# KiCad board jorian.kicad_pcb
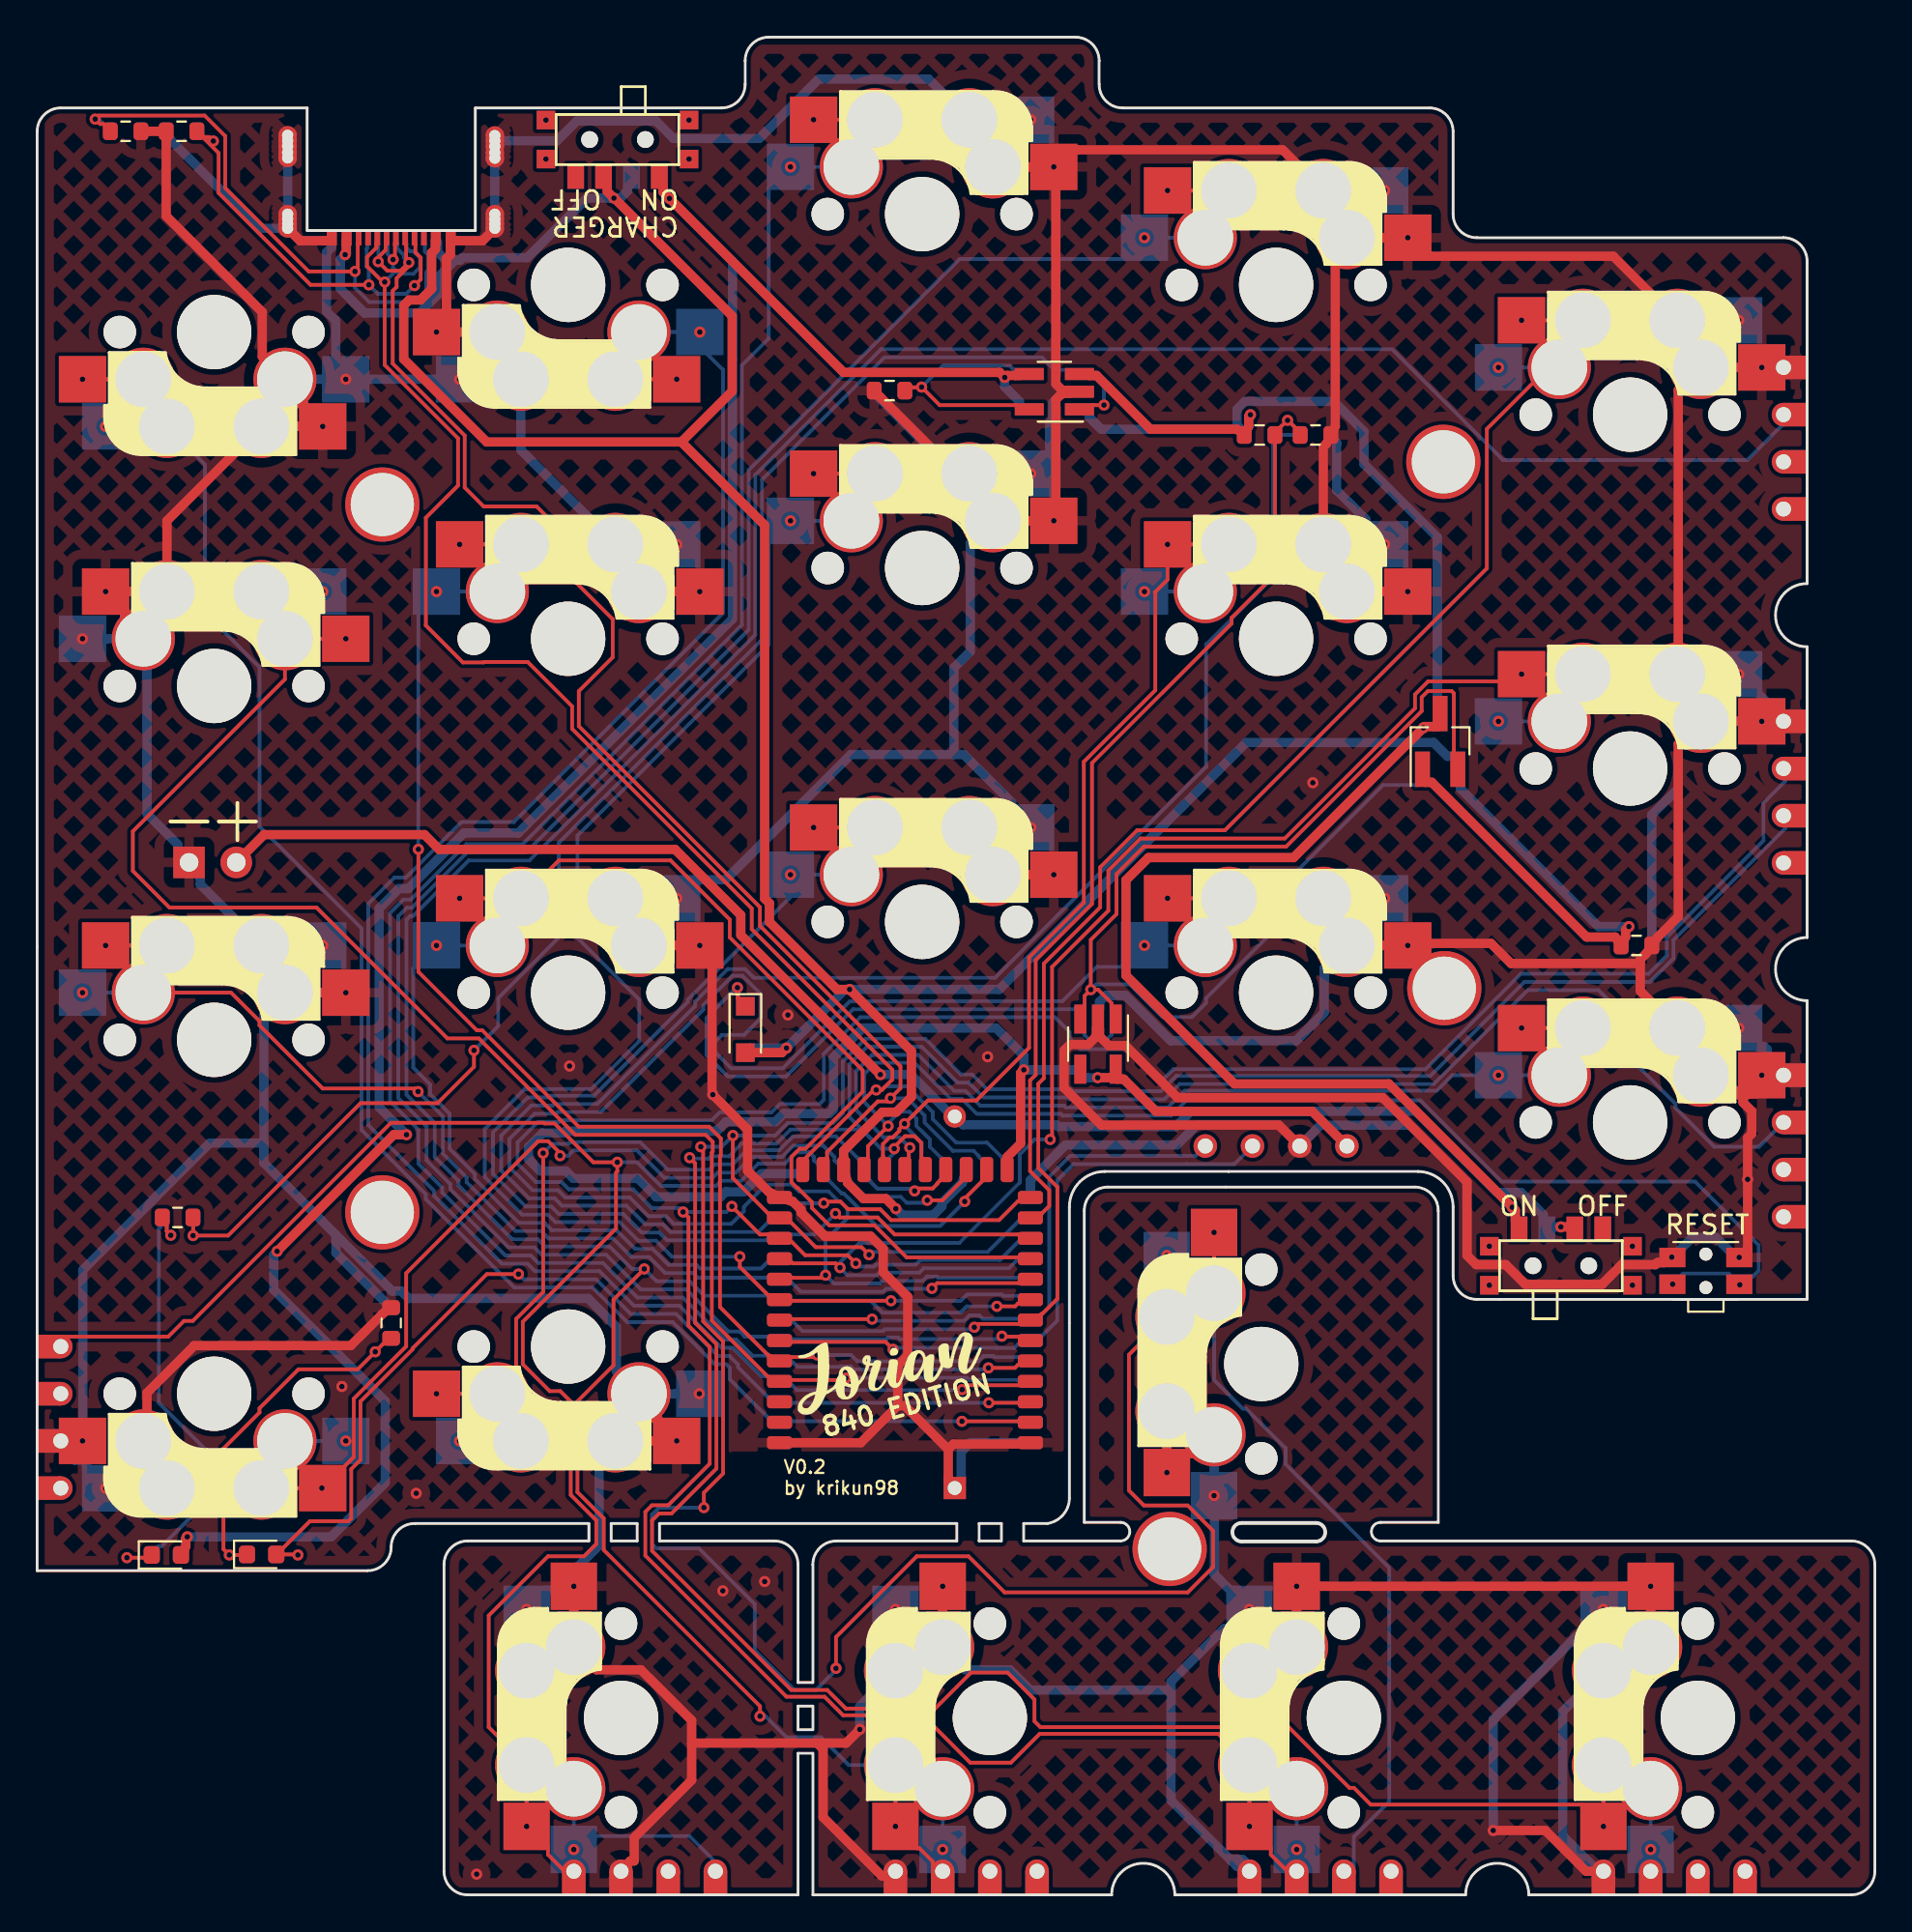
[diagram p0: board, top side]
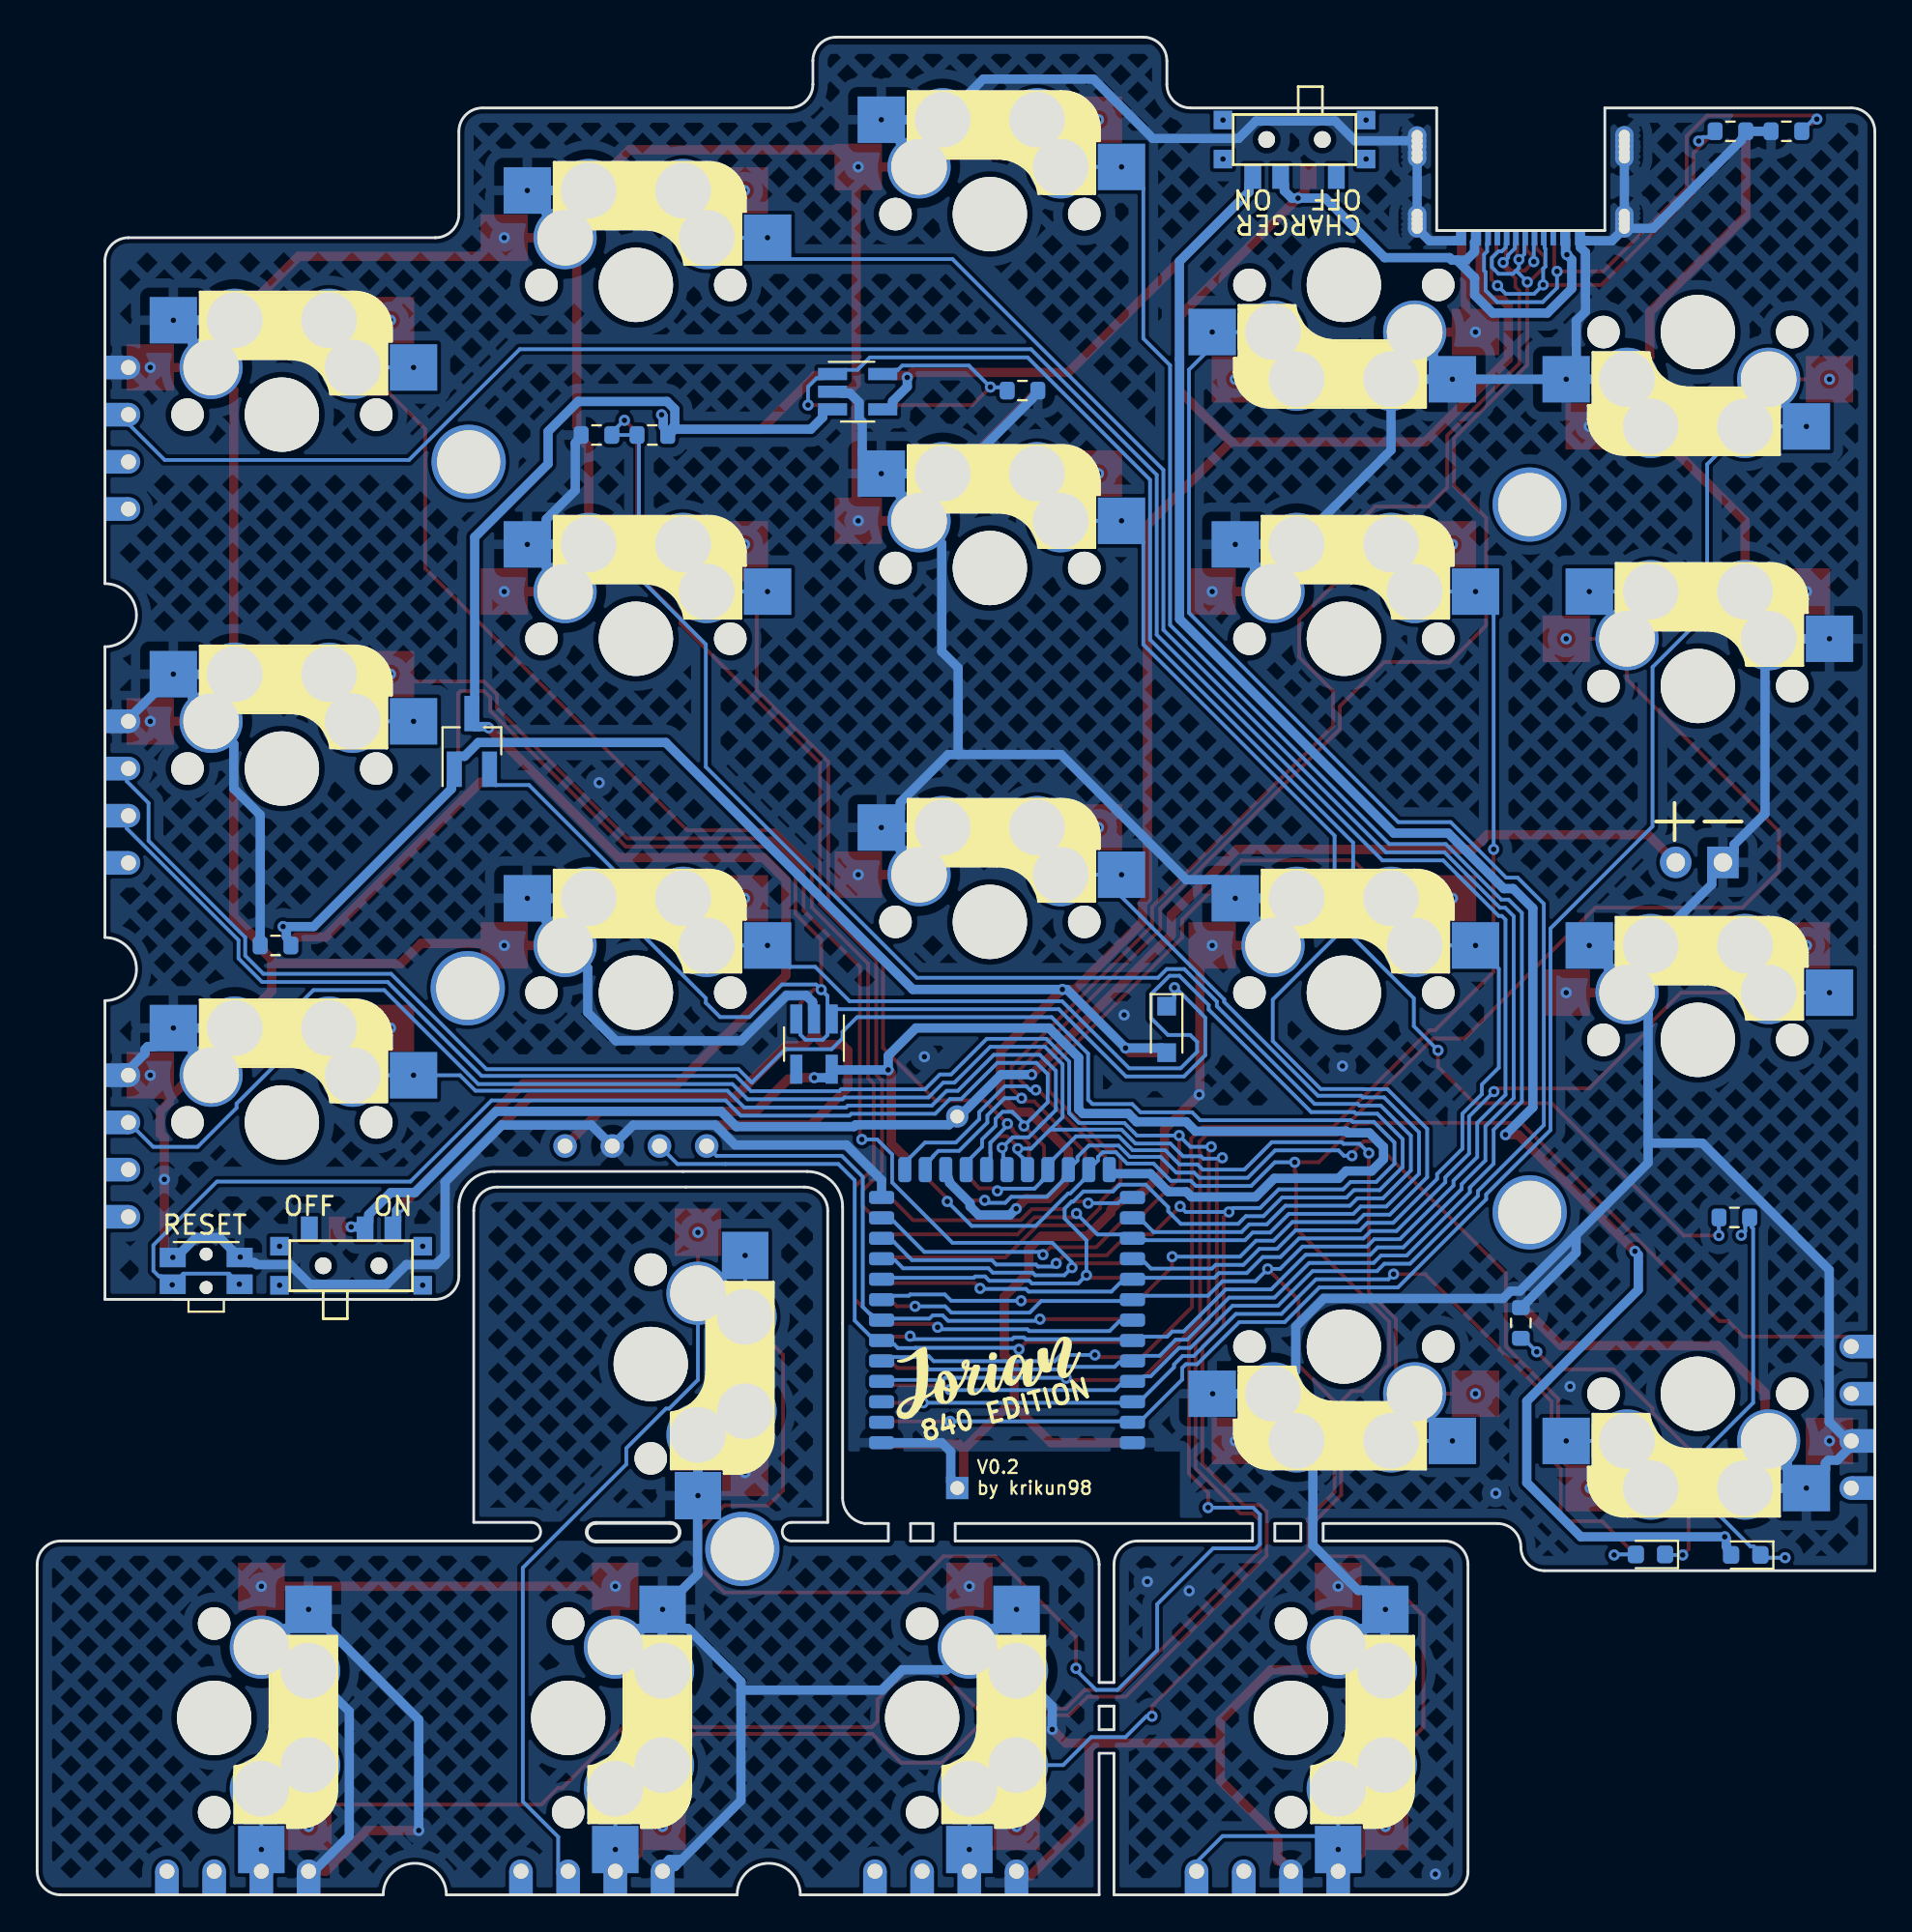
[diagram p1: board, bottom side, seen from below]

Outline 98.89 x 100 mm; copper layers: Top, Bottom. Coordinates in mm from the lower left corner of the outline.
Outline path: 0,94.92 arc(0.37,95.82) 1.27,96.19 14.53,96.19 14.53,89.59 23.58,89.59 23.58,96.19 36.83,96.19 arc(37.73,96.56) 38.1,97.46 38.1,98.73 arc(38.47,99.63) 39.37,100 55.88,100 arc(56.78,99.63) 57.15,98.73 57.15,97.46 arc(57.52,96.56) 58.42,96.19 74.93,96.19 arc(75.83,95.82) 76.2,94.92 76.2,90.48 arc(76.57,89.58) 77.47,89.21 93.98,89.21 arc(94.88,88.83) 95.25,87.94 95.25,70.59 arc(93.55,68.89) 95.25,67.19 95.25,51.54 arc(93.55,49.84) 95.25,48.14 95.25,32.06 77.47,32.06 arc(76.57,32.43) 76.2,33.33 76.2,37.04 arc(75.64,38.38) 74.29,38.94 57.46,38.94 arc(56.11,38.38) 55.55,37.04 55.55,21.37 arc(55.21,20.46) 54.36,19.99 53.09,19.99 53.09,19.05 58.3,19.05 arc(58.8,19.55) 58.3,20.05 56.35,20.05 56.35,36.83 arc(56.72,37.73) 57.62,38.1 74.13,38.1 arc(75.03,37.73) 75.4,36.83 75.4,20.05 72.3,20.05 arc(71.8,19.55) 72.3,19.05 97.62,19.05 arc(98.52,18.68) 98.89,17.78 98.89,1.27 arc(98.52,0.37) 97.62,0 80.28,0 arc(78.57,1.7) 76.88,0 61.23,0 arc(59.52,1.7) 57.82,0 41.74,0 41.74,7.62 40.95,7.62 40.95,0 23.16,0 arc(22.27,0.37) 21.9,1.27 21.9,17.78 arc(22.27,18.68) 23.16,19.05 29.69,19.05 29.69,19.99 20.32,19.99 arc(19.42,19.62) 19.05,18.72 arc(18.68,17.82) 17.78,17.45 0,17.45 0,94.92 ; 30.89,19.99 30.89,19.05 32.29,19.05 32.29,19.99 30.89,19.99 ; 33.49,19.99 33.49,19.05 39.68,19.05 arc(40.57,18.68) 40.95,17.78 40.95,11.43 41.74,11.43 41.74,17.78 arc(42.12,18.68) 43.02,19.05 49.49,19.05 49.49,19.99 33.49,19.99 ; 40.95,10.16 40.95,8.89 41.74,8.89 41.74,10.16 40.95,10.16 ; 50.69,19.99 50.69,19.05 51.89,19.05 51.89,19.99 50.69,19.99 ; 64.82,20.02 68.82,20.02 arc(69.32,19.52) 68.82,19.02 64.82,19.02 arc(64.32,19.52) 64.82,20.02
Stack: Top 0.035mm / dielectric 1.51mm FR4 er 4.5 / Bottom 0.035mm

## Placement (name value [footprint] x y rotation side)
BT1  Battery Holder  [cr2032_bs-7]  49.37 29.26 0 top
D1  RED  [LED_0603_1608Metric_REV]  6.95 18.3 0 top
D2  1N5819  [D_SOD-323_HandSoldering_REV]  38.11 46.59 270 top
D3  BLUE  [LED_0603_1608Metric_REV]  12.08 18.33 0 top
E5  left  [edge_conn]  95.25 78.41 0 top
E10  left  [edge_conn]  95.25 59.36 0 top
E15  left  [edge_conn]  95.25 40.31 0 top
E16  right  [edge_conn]  0 25.71 180 bottom
E18  left  [edge_conn]  32.69 0 270 top
E19  right  [edge_conn]  50 0 270 bottom
E20  right  [edge_conn]  69.05 0 270 bottom
E21  right  [edge_conn]  88.1 0 270 bottom
G1  Logo_Open_Hardware_Small  [jorian_logo_840]  46.78 27.59 0 top
G2  Logo_Open_Hardware_Small  [jorian_logo_840]  46.78 27.36 180 bottom
HM1  CaseHole  [M2-MountingHole-Standoff]  18.58 74.84 0 top
HM2  CaseHole  [M2-MountingHole-Standoff]  75.68 77.14 0 top
HM3  CaseHole  [M2-MountingHole-Standoff]  18.58 36.74 0 top
HM4  CaseHole  [M2-MountingHole-Standoff]  75.72 48.81 0 top
HM5  CaseHole  [M2-MountingHole-Standoff]  60.95 18.62 90 top
J1  USB-C Conn  [USB-C_C168688_REV]  19.05 96.19 0 top
J2  Ex_Bat  [Battery_TH]  8.18 55.58 90 top
JP16  SWD_conn  [connector_swd]  66.68 40.31 180 top
Q1  AO3407  [SOT-23_Handsoldering_REV]  75.5 62.09 90 top
R1  5.1K  [R_0603_1608Metric_REV]  4.76 94.94 0 top
R2  5.1K  [R_0603_1608Metric_REV]  7.77 94.94 180 top
R3  1K  [R_0603_1608Metric_REV]  7.56 36.47 0 top
R4  RPROG  [R_0603_1608Metric_REV]  45.87 80.98 180 top
R5  820K  [R_0603_1608Metric_REV]  65.79 78.59 0 top
R6  2M  [R_0603_1608Metric_REV]  68.79 78.59 0 top
R7  100K  [R_0603_1608Metric_REV]  86.07 51.11 0 top
R8  1K  [R_0603_1608Metric_REV]  19.05 30.79 90 top
RSW1  SW_PUSH  [SW_SPST_EVQP7C_REV]  89.8 33.59 0 top
SW1  SW_PUSH  [MX-HS-SOL-1U-REV]  9.52 84.13 180 top
SW2  SW_PUSH  [MX-HS-SOL-1U-REV]  28.57 86.67 180 top
SW3  SW_PUSH  [MX-HS-SOL-1U-REV]  47.63 90.48 0 top
SW4  SW_PUSH  [MX-HS-SOL-1U-REV]  66.68 86.67 0 top
SW5  SW_PUSH  [MX-HS-SOL-1U-REV]  85.72 79.68 0 top
SW6  SW_PUSH  [MX-HS-SOL-1U-REV]  9.52 65.08 0 top
SW7  SW_PUSH  [MX-HS-SOL-1U-REV]  28.57 67.62 0 top
SW8  SW_PUSH  [MX-HS-SOL-1U-REV]  47.63 71.43 0 top
SW9  SW_PUSH  [MX-HS-SOL-1U-REV]  66.68 67.62 0 top
SW10  SW_PUSH  [MX-HS-SOL-1U-REV]  85.72 60.63 0 top
SW11  SW_PUSH  [MX-HS-SOL-1U-REV]  9.52 46.03 0 top
SW12  SW_PUSH  [MX-HS-SOL-1U-REV]  28.57 48.57 0 top
SW13  SW_PUSH  [MX-HS-SOL-1U-REV]  47.63 52.38 0 top
SW14  SW_PUSH  [MX-HS-SOL-1U-REV]  66.68 48.57 0 top
SW15  SW_PUSH  [MX-HS-SOL-1U-REV]  85.72 41.58 0 top
SW16  SW_PUSH  [MX-HS-SOL-1U-REV]  9.52 26.98 180 top
SW17  SW_PUSH  [MX-HS-SOL-1U-REV]  28.57 29.52 180 top
SW18  SW_PUSH  [MX-HS-SOL-1U-REV]  31.42 9.53 90 top
SW19  SW_PUSH  [MX-HS-SOL-1U-REV]  51.27 9.53 90 top
SW20  SW_PUSH  [MX-HS-SOL-1U-REV]  70.32 9.53 90 top
SW21  SW_PUSH  [MX-HS-SOL-1U-REV]  89.37 9.53 90 top
SW22  SW_PUSH  [MX-HS-SOL-1U-REV]  65.88 28.58 90 top
SW23  SW_SPDT  [SW_SPDT+H-MSK12C01_hor(7pin_SMD)_REV]  82 33.87 0 top
SW24  SW_SPDT  [SW_SPDT+H-MSK12C01_hor(7pin_SMD)_REV]  31.23 94.49 180 top
U1  Holyiot-18010  [Holyiot-18010-nRF52840-REV]  46.7 30.04 180 top
U2  TP4054  [SOT-23-5_HandSoldering_REV]  54.74 80.92 180 top
U3  XC6220B331MR-G  [SOT-23-5_HandSoldering_REV]  57.09 45.8 270 top

## Footprints (pads in the part's own frame, mm; a bottom-side part is the same pattern mirrored in y, then rotated)
Battery_TH
  rect 1.7x1.7 hole 1: 1(0,0)
  oval 1.7x1.7 hole 1: 2(0,-2.54)
connector_swd
  round 1.27 hole 0.81: 1(-3.81,0) 2(-1.27,0) 3(1.27,0) 4(3.81,0)
cr2032_bs-7
  round 1.2 hole 0.75: 1(0.015,12.639)
  rect 1.2x1.2 hole 0.75: 2(0.015,-7.361)
D_SOD-323_HandSoldering_REV
  rect 1x1 smd: 1(-1.25,0) 2(1.25,0)
  rect 1x1 smd far side: 1(-1.25,0) 2(1.25,0)
edge_conn
  round 1.27 hole 0.81: 1(-1.27,3.81) 2(-1.27,1.27) 3(-1.27,-1.27) 4(-1.27,-3.81)
  rect 1.27x1.27 smd: 1(-0.635,3.81) 2(-0.635,1.27) 3(-0.635,-1.27) 4(-0.635,-3.81)
  rect 1.27x1.27 smd far side: 1(-0.635,3.81) 2(-0.635,1.27) 3(-0.635,-1.27) 4(-0.635,-3.81)
Holyiot-18010-nRF52840-REV
  rrect 1.35x0.7 smd: 1(-6.75,5.7) 2(-6.75,4.6) 3(-6.75,3.5) 4(-6.75,2.4) 5(-6.75,1.3) 6(-6.75,0.2) 7(-6.75,-0.9) 8(-6.75,-2) 9(-6.75,-3.1) 10(-6.75,-4.2) 11(-6.75,-5.3) 12(-6.75,-6.4) 13(-6.75,-7.5) 25(6.75,-7.5) 26(6.75,-6.4) 27(6.75,-5.3) 28(6.75,-4.2) 29(6.75,-3.1) 30(6.75,-2) 31(6.75,-0.9) 32(6.75,0.2) 33(6.75,1.3) 34(6.75,2.4) 35(6.75,3.5) 36(6.75,4.6) 37(6.75,5.7)
  rrect 1.35x0.7 smd far side: 1(6.75,5.7) 2(6.75,4.6) 3(6.75,3.5) 4(6.75,2.4) 5(6.75,1.3) 6(6.75,0.2) 7(6.75,-0.9) 8(6.75,-2) 9(6.75,-3.1) 10(6.75,-4.2) 11(6.75,-5.3) 12(6.75,-6.4) 13(6.75,-7.5) 25(-6.75,-7.5) 26(-6.75,-6.4) 27(-6.75,-5.3) 28(-6.75,-4.2) 29(-6.75,-3.1) 30(-6.75,-2) 31(-6.75,-0.9) 32(-6.75,0.2) 33(-6.75,1.3) 34(-6.75,2.4) 35(-6.75,3.5) 36(-6.75,4.6) 37(-6.75,5.7)
  rrect 0.7x1.35 smd: 14(-5.5,-9) 15(-4.4,-9) 16(-3.3,-9) 17(-2.2,-9) 18(-1.1,-9) 19(0,-9) 20(1.1,-9) 21(2.2,-9) 22(3.3,-9) 23(4.4,-9) 24(5.5,-9)
  rrect 0.7x1.35 smd far side: 14(5.5,-9) 15(4.4,-9) 16(3.3,-9) 17(2.2,-9) 18(1.1,-9) 19(0,-9) 20(-1.1,-9) 21(-2.2,-9) 22(-3.3,-9) 23(-4.4,-9) 24(-5.5,-9)
LED_0603_1608Metric_REV
  rrect 0.875x0.95 smd far side: 1(-0.793,0) 2(0.782,0)
  rrect 0.875x0.95 smd: 1(-0.787,0) 2(0.787,0)
M2-MountingHole-Standoff
  round 4 hole 3.4: (0,0)
MX-HS-SOL-1U-REV
  round 1.75 hole 1.75 unplated: (-5.08,0) (5.08,0)
  round 4 hole 4 unplated: (0,0)
  rect 2.55x2.5 smd far side: 1(-7.085,2.54) 2(5.842,5.08)
  rect 2.55x2.5 smd: 1(-5.842,5.08) 2(7.085,2.54)
  round 3.4 hole 3: 1(-3.81,2.54) 1(-2.54,5.08) 2(2.54,5.08) 2(3.81,2.54)
R_0603_1608Metric_REV
  rrect 0.8x0.95 smd: 1(-0.825,0) 2(0.825,0)
  rrect 0.8x0.95 smd far side: 1(-0.825,0) 2(0.825,0)
SOT-23-5_HandSoldering_REV
  rect 1.56x0.65 smd: 1(-1.35,0.95) 2(-1.35,0) 3(-1.35,-0.95) 4(1.35,-0.95) 5(1.35,0.95)
  rect 1.56x0.65 smd far side: 1(-1.35,-0.95) 2(-1.35,0) 3(-1.35,0.95) 4(1.35,0.95) 5(1.35,-0.95)
SOT-23_Handsoldering_REV
  rect 1.9x0.8 smd: 1(-1.5,0.95) 2(-1.5,-0.95) 3(1.5,0)
  rect 1.9x0.8 smd far side: 1(-1.5,-0.95) 2(-1.5,0.95) 3(1.5,0)
SW_SPDT+H-MSK12C01_hor(7pin_SMD)_REV
  round 0.9 hole 0.9 unplated: (-1.5,0) (1.5,0)
  rect 0.9x1.3 smd: 1(-2.25,2) 2(0.75,2) 3(2.25,2)
  rect 0.9x1.3 smd far side: 1(-2.25,2) 2(-0.75,2) 3(2.25,2)
  rect 1x1 smd: H(-3.85,1.05) H(-3.85,-1.05) H(3.85,1.05) H(3.85,-1.05)
  rect 1x1 smd far side: H(-3.85,1.05) H(-3.85,-1.05) H(3.85,1.05) H(3.85,-1.05)
SW_SPST_EVQP7C_REV
  round 0.7 hole 0.7 unplated: (0,0.9) (0,-0.9)
  rect 1.4x1.05 smd: 1(-1.8,-0.72) 1(1.8,-0.72) 2(-1.8,0.72) 2(1.8,0.72)
  rect 1.4x1.05 smd far side: 1(-1.8,-0.72) 1(1.8,-0.72) 2(-1.8,0.72) 2(1.8,0.72)
USB-C_C168688_REV
  rect 0.54x0.8 smd: A1(-3.2,-7) A1(3.2,-7) A4(-2.4,-7) A4(2.4,-7)
  rect 0.54x0.8 smd far side: A1(-3.19,-7) A1(3.21,-7) A4(-2.39,-7) A4(2.41,-7)
  rect 0.3x0.8 smd far side: A5(-1.24,-7) A6(-0.24,-7) A7(0.26,-7) A8(1.26,-7) B5(1.76,-7) B6(0.76,-7) B7(-0.74,-7) B8(-1.748,-7)
  rect 0.3x0.8 smd: A5(1.25,-7) A6(0.25,-7) A7(-0.25,-7) A8(-1.25,-7) B5(-1.75,-7) B6(-0.75,-7) B7(0.75,-7) B8(1.758,-7)
  round 1 hole 0.6: S1(-5.576,-1.473) S1(-5.575,-1.753) S1(-5.575,-2.057) S1(-5.575,-2.4) S1(-5.575,-2.692) S1(-5.575,-6.236) S1(-5.575,-5.719) S1(-5.575,-5.982) S1(-5.575,-6.481) S1(5.575,-1.486) S1(5.575,-1.765) S1(5.575,-2.07) S1(5.575,-2.413) S1(5.575,-2.705) S1(5.575,-6.236) S1(5.576,-5.719) S1(5.576,-5.982) S1(5.576,-6.481)

## Nets
GND: BT1.2 E5.1 E10.1 E15.1 E16.3 E18.3 E19.1 E20.1 E21.1 J1.A1 J1.S1 J2.1 JP16.2 R1.2 R2.2 R4.2 R6.2 R7.2 R8.2 RSW1.2 SW1.1 SW2.2 SW3.2 SW4.2 SW5.2 SW6.1 SW7.2 SW8.2 SW9.2 SW10.2 SW11.2 SW12.2 SW13.2 SW14.2 SW15.2 SW16.2 SW17.1 SW18.2 SW19.2 SW20.2 SW21.2 SW22.1 U1.1 U1.25 U1.37 U2.2 U3.2
VBAT: BT1.1 J2.2 SW23.2
VBAT2: Q1.3 R5.1 SW23.1 U2.3
VBUS: D2.2 J1.A4 Q1.1 R7.1 SW24.2 U1.22
VBUS_C: D1.2 SW24.1 U2.4
BATTERY_PIN: R5.2 R6.1 U1.12
BLUE_LED: D3.2 U1.3
CC1: J1.A5 R2.1
CC2: J1.B5 R1.1
DATA+: J1.A6 J1.B6 U1.24
DATA-: J1.A7 J1.B7 U1.23
nRF_VDD: JP16.1 U1.14 U3.5
PROG: U1.13
R1C1: E5.2 E19.2 SW19.1 U1.8
R1C2: SW5.1 U1.7
R1C3: SW4.1 U1.6
R1C4: SW3.1 U1.5
R1C5: SW2.1 U1.4
R1C6: SW1.2 U1.2
R2C0: E10.3 E20.3 SW22.2 U1.26
R2C1: E10.2 E20.2 SW20.1 U1.27
R2C2: SW10.1 U1.28
R2C3: SW9.1 U1.20
R2C4: SW8.1 U1.30
R2C5: SW7.1 U1.33
R2C6: SW6.2 U1.34
R3C1: E15.2 E21.2 SW21.1 U1.18
R3C2: SW15.1 U1.19
R3C3: SW14.1 U1.29
R3C4: SW13.1 U1.11
R3C5: SW12.1 U1.10
R3C6: SW11.1 U1.9
R4C5: SW17.2 U1.17
R4C6: SW16.1 U1.16
R4C7: E16.1 E18.1 E18.4 SW18.1 U1.15
reset: RSW1.1 U1.21
SWC: JP16.4 U1.31
SWD: JP16.3 U1.32
Net-(D1-Pad1): D1.1 R3.1
Net-(D2-Pad1): D2.1 Q1.2 U3.1 U3.3
Net-(D3-Pad1): D3.1 R8.1
Net-(R3-Pad2): R3.2 U2.1
Net-(R4-Pad1): R4.1 U2.5

Pads without a net: E5 3 4; E10 4; E15 3 4; E16 2 4; E18 2; E19 3 4; E20 4; E21 3 4; J1 A8 B8; SW23 3 H; SW24 3 H; U1 35 36; U3 4

## Via types
v1: diameter 0.6, hole 0.3, Top to Bottom, 197 vias

## Routing (per net, layer and track width the routed paths; a pad name or vN(x,y) marks a point on that pad's centre or on a via; arc(x,y) is an arc through that point)
GND: length 986.8
  Top w0.5: E10.1 v1(92.81,63.17) SW10.2 88.32,61.95 88.32,52.66 87.2,51.54 R7.2 86.58,50.67 86.27,50.36 86.27,50.14 ; SW7.2 v1(35.66,70.16) ; SW9.2 69.22,77.95 69.38,78.12 R6.2 69.86,79.05 69.86,88.58 SW4.2 v1(73.76,89.21) 74.78,88.21 84.82,88.21 SW5.2 ; 49.03,23.98 46.69,26.32 46.31,26.32 ; 49.03,23.98 49.03,22.25 BT1.2 ; 49.03,23.98 49.31,24.27 53.38,24.27 U1.1 ; 41.97,8.17 42.3,7.85 42.3,4.18 45.45,1.02 45.8,1.02 E19.1 ; 41.97,8.17 35.25,8.17 35.22,8.15 ; 41.97,8.17 43.54,8.17 v1(44.27,8.91) ; SW17.1 v1(34.42,24.44) 33.39,25.44 33.39,25.69 32.38,26.69 SW17.1 ; v1(91.59,34.31) 91.6,34.31 RSW1.2 92.05,34.59 v1(92.05,38.52) 92.05,40.75 92.27,40.97 92.27,42.19 91.8,42.66 91.8,42.87 ; v1(54.71,93.02) SW3.2 ; v1(54.71,93.02) 54.82,92.02 54.82,81.34 55.17,80.99 55.56,80.99 U2.2 55.56,80.84 55.21,80.84 55.15,80.78 55.11,80.78 54.82,80.49 54.82,74.97 v1(54.71,73.97) SW8.2 ; v1(54.71,93.02) 55.74,93.94 67.02,93.94 SW4.2 ; 91.8,42.87 90.55,44.12 SW15.2 ; 91.8,42.87 92.05,43.12 92.54,43.12 v1(92.81,44.12) E15.1 ; 35.22,8.15 35.22,6.18 32.13,3.08 32.13,1.83 31.92,1.83 31.42,1.33 E18.3 ; 35.22,8.15 35.22,9.39 32.49,12.12 30.1,12.12 28.88,13.34 v1(28.88,16.61) ; JP16.2 66.82,41.44 57.27,41.44 55.26,43.44 55.26,45.45 55.59,45.78 56.57,45.78 56.96,46.16 56.96,46.2 57.02,46.26 57.02,46.62 U3.2 57.16,46.62 57.16,46.22 57.67,45.72 58.57,45.72 61.37,42.92 72.41,42.92 76.95,38.37 76.95,34.42 77.45,33.92 79.03,33.92 80.09,32.87 84.21,32.87 85.27,33.92 87.09,33.92 87.2,34.04 87.55,34.04 88,34.31 87.98,34.31 v1(87.97,34.33) ; SW16.2 5.91,24.63 5.91,27.02 8.45,29.57 16.88,29.57 18.61,31.3 R8.2 ; SW15.2 86.27,48.65 86.27,50.14 ; v1(78.36,3.47) 81.16,3.47 83.36,1.27 E21.1 ; SW13.2 v1(54.71,54.92) ; v1(48.73,16.61) SW19.2 ; SW8.2 49.49,76.51 45.41,80.59 R4.2 ; SW10.2 88.32,65.76 88.32,81 SW5.2 v1(92.81,82.22) E5.1 ; SW11.2 v1(16.61,48.57) ; SW12.2 v1(35.66,51.11) 36.32,50.11 36.32,43.11 v1(36.36,43.07) 38.23,41.2 38.23,38.98 39.35,37.86 U1.25 40.62,37.33 40.66,37.33 41.11,36.88 41.11,36.73 42.39,35.45 44.85,35.45 45.53,34.78 45.53,33.51 46.85,32.2 46.85,29.04 46.31,28.5 46.31,26.32 ; SW22.1 62.33,23.76 61.79,23.76 v1(60.79,22.73) SW22.1 ; SW14.2 v1(73.76,51.11) 73.87,51.21 78.24,51.21 79.32,50.14 86.27,50.14 ; 13.48,89.71 14.15,89.04 15.48,89.04 15.59,89.04 15.84,89.04 J1.A1 ; 46.31,26.32 44.33,24.34 U1.1 ; SW6.1 4.71,68.62 4.71,69.16 v1(3.68,70.16) SW6.1 6.98,73.97 SW1.1 v1(15.37,79.05) 14.34,80.05 14.34,80.3 13.34,81.3 SW1.1 12.12,82.8 12.12,85.2 6.95,90.37 R2.2 R1.2 ; 84.29,12.07 85.56,12.07 86.83,13.34 v1(86.83,16.61) v1(67.78,16.61) 67.78,13.34 ; v1(73.76,70.16) SW9.2 ; E16.3 v1(2.44,24.44) ; SW2.2 v1(21.49,84.13) 22.03,85.13 22.03,88.09 22.23,88.29 22.23,89.04 J1.A1 22.27,89.04 22.63,89.04 23.96,89.04 J1.S1
  Bottom w0.5: v1(26.34,15.37) 27.34,14.34 27.59,14.34 28.6,13.34 28.88,13.34 ; v1(26.34,15.37) SW18.2 ; v1(26.34,15.37) 27.34,16.39 27.81,16.39 30.24,18.82 30.24,23.56 SW17.1 ; 16.08,35.53 12.2,39.4 12.2,40.47 ; 16.08,35.53 19.1,32.5 19.6,32.5 20,32.1 27.5,32.1 27.5,32.11 29.65,32.11 31.17,30.59 31.17,28.19 SW17.1 35.66,26.98 v1(35.63,26.98) ; 16.08,35.53 16.08,34.56 18.67,31.97 R8.2 ; 61.02,11.02 61.02,5.08 64.23,1.87 ; 61.02,11.02 53.44,11.02 52.34,12.12 49.95,12.12 SW19.2 48.45,13.34 47.44,14.34 47.19,14.34 v1(46.19,15.37) SW19.2 44.27,10.15 v1(44.27,8.91) ; 61.02,11.02 61.02,11.48 63.89,14.34 64.24,14.34 v1(65.24,15.37) ; SW2.2 23.76,83.12 23.76,82.59 v1(22.73,81.59) ; 64.23,1.87 64.58,1.52 64.71,1.52 64.85,1.37 64.85,1.27 E20.1 ; 64.23,1.87 64.27,1.91 64.87,1.91 65.24,1.53 E20.1 ; R7.2 86.89,58.14 88.32,59.56 88.32,61.95 SW10.2 89.53,63.45 90.54,64.46 90.54,64.71 v1(91.57,65.71) ; v1(3.68,21.9) 4.71,22.9 4.71,23.43 SW16.2 ; v1(3.68,21.9) 2.66,22.9 2.66,23.25 2.51,23.4 2.03,23.4 1.37,24.05 1.02,24.05 E16.3 ; v1(3.68,21.9) SW16.2 ; 12.2,40.47 9.28,40.47 2.46,33.64 2.46,25.46 1.43,24.44 E16.3 ; 12.2,40.47 12.2,47.43 SW11.2 13.34,48.85 14.34,49.86 14.34,50.11 v1(15.37,51.11) SW11.2 8.77,54.4 8.77,54.98 J2.1 7.58,56.18 7.58,56.53 5.91,58.2 5.91,67.42 SW6.1 v1(2.44,67.62) ; v1(16.61,81.59) v1(22.73,81.59) ; v1(16.61,81.59) 16.07,82.59 16.07,84.73 15.57,85.23 15.57,88.41 15.84,88.69 15.84,89.04 ; v1(16.61,81.59) SW1.1 ; SW9.2 70.49,70.44 71.49,71.45 71.49,71.7 v1(72.52,72.7) ; U1.25 53.45,38.47 55.35,40.37 61.33,40.37 62.4,41.44 66.82,41.44 JP16.2 69.07,41.44 73.89,41.44 76.94,38.38 76.94,34.43 77.45,33.92 79.03,33.92 80.09,32.87 84.22,32.87 85.28,33.92 87.09,33.92 87.2,34.04 87.55,34.04 88,34.31 ; 13.48,89.71 14.15,89.04 15.49,89.04 15.59,89.04 15.84,89.04 ; 13.48,89.71 11.93,89.71 7.18,94.46 7.18,94.47 R2.2 R1.2 ; 13.48,89.71 J1.S1 J1.S1 13.48,90.21 13.48,90.21 13.48,90.47 J1.S1 J1.S1 J1.S1 J1.S1 J1.S1 J1.S1 ; 49.33,61.38 49.87,61.38 52.44,58.81 52.44,58.46 v1(53.47,57.46) ; 49.33,61.38 49.33,66.05 50.22,66.93 50.22,72.75 SW8.2 51.43,74.25 52.44,75.26 52.44,75.51 v1(53.47,76.51) ; 49.33,61.38 43.79,61.38 37.05,54.65 35.44,54.65 v1(34.42,53.65) ; v1(91.57,65.71) 93.72,63.56 94.23,63.56 E10.1 ; v1(91.57,65.71) SW10.2 ; SW4.2 70.49,89.49 71.49,90.5 71.49,90.75 v1(72.52,91.75) SW4.2 ; SW13.2 v1(53.47,57.46) ; v1(22.73,81.59) SW2.2 26.04,77.78 SW7.2 v1(34.42,72.7) 33.39,71.7 33.39,71.45 32.38,70.44 SW7.2 ; v1(53.47,76.51) SW8.2 49.39,76.51 45.35,80.54 R4.2 ; v1(53.47,76.51) 54.49,77.51 54.49,79.27 54.66,79.44 54.66,80.33 55.17,80.84 55.56,80.84 U2.2 ; J1.A1 22.29,89.04 22.64,89.04 23.96,89.04 J1.S1 J1.S1 24.63,90.21 J1.S1 J1.S1 J1.S1 J1.S1 J1.S1 J1.S1 ; SW15.2 89.53,44.4 90.54,45.41 90.54,45.66 v1(91.57,46.66) ; SW15.2 v1(91.57,46.66) ; 86.83,13.34 86.55,13.34 85.54,14.34 85.29,14.34 v1(84.29,15.37) 78.36,9.44 v1(78.36,3.47) ; v1(87.97,34.33) 87.98,34.31 88,34.31 ; J1.S1 27.98,94.42 29.04,95.49 33.3,95.49 34.24,94.55 38.85,94.55 42.05,97.75 47.97,97.75 SW3.2 v1(53.47,95.56) 52.44,94.56 52.44,94.31 51.43,93.3 SW3.2 ; J1.S1 24.63,94.43 J1.S1 ; v1(91.57,46.66) 92.59,45.66 92.95,45.66 93.09,45.51 93.09,45.29 93.88,44.51 94.23,44.51 E15.1 ; v1(53.47,57.46) 52.44,56.46 52.44,56.21 51.43,55.2 SW13.2 ; v1(91.59,34.31) 91.6,34.31 RSW1.2 91.15,34.59 90.35,35.39 89.08,35.39 88,34.31 ; SW5.2 89.53,82.5 90.54,83.51 90.54,83.76 v1(91.57,84.76) SW5.2 ; BT1.2 49.73,22.25 49.73,23.85 50.22,24.34 U1.1 ; 67.78,13.34 67.5,13.34 66.49,14.34 66.24,14.34 v1(65.24,15.37) ; 84.29,12.07 82.1,9.87 82.1,3.18 83.91,1.37 83.91,1.27 E21.1 ; v1(65.24,15.37) 63.34,17.27 63.34,17.61 63.36,17.62 63.36,21.47 v1(63.34,21.49) SW22.1 ; v1(65.24,15.37) SW20.2 ; v1(72.52,72.7) 71.49,73.7 71.49,74.05 69.94,75.61 69.94,78.14 69.93,78.15 R6.2 ; v1(72.52,72.7) SW9.2 ; v1(34.42,53.65) 33.39,52.65 33.39,52.4 32.38,51.39 SW12.2 ; v1(34.42,53.65) SW12.2 ; 15.84,89.04 J1.A1 15.84,89.04 ; SW14.2 v1(72.52,53.65) 71.49,52.65 71.49,52.4 70.49,51.39 SW14.2 69.27,49.89 69.27,47.49 67.75,45.97 61.01,45.97 58.57,48.42 57.51,48.42 57.16,48.07 57.16,47.68 U3.2 ; 45.8,1.27 45.8,1.37